# KiCad board LTC6811_ESP32_V2.kicad_pcb (continued)
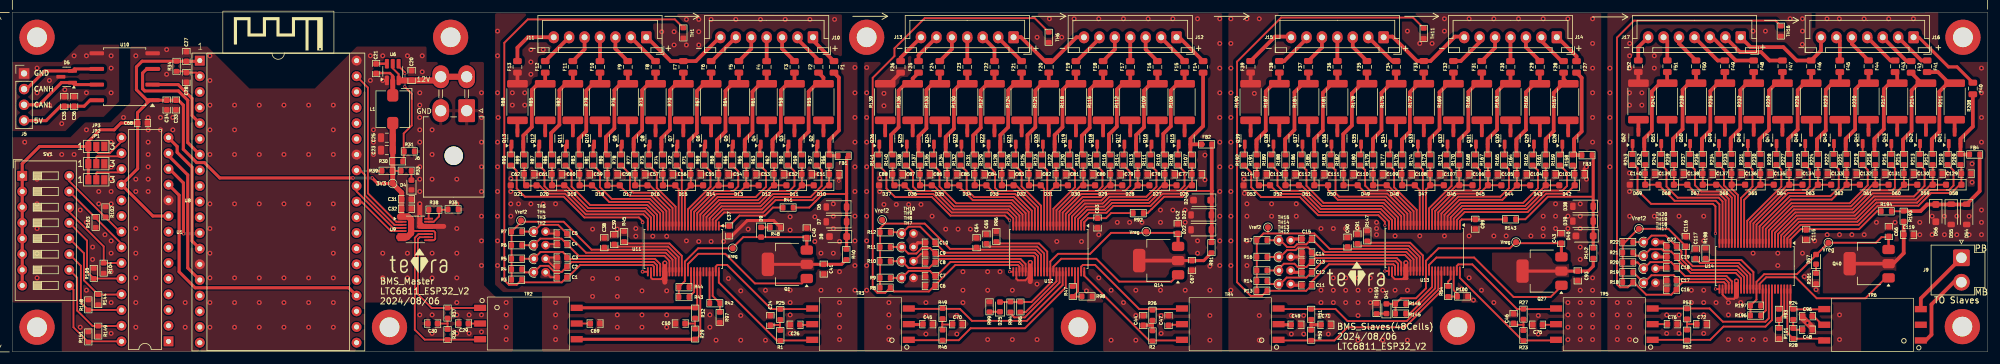
[diagram p0: board, top side]
## Routing (per net, layer and track width the routed paths; a pad name or vN(x,y) marks a point on that pad's centre or on a via; arc(x,y) is an arc through that point)
+3V3: length 172.7
  Top w0.3: 64.82,19.56 U9.12 68.26,19.56 68.51,19.31 68.51,18.27 68.3,18.06 U9.9 ; R33.2 R39.1
  Top w0.5: U1.18 22.76,21.99 U1.9 ; 20.3,37.13 20.3,29.66 17.71,27.07 ; JP3.1 4.4,33.26 1.6,30.46 SW1.8 ; JP3.1 JP1.1 ; JP3.1 12.3,34.06 14.2,35.96 16.5,35.96 17.6,37.06 C68.2 ; v1(55.2,28.16) 33.6,28.16 31.11,30.65 29.86,30.65 27.7,32.81 27.7,39.96 26.9,40.76 22.73,40.76 U10.1 ; 23.51,40.75 U10.1 ; U10.1 21.81,40.75 20.1,42.46 20.1,46.16 21.02,47.08 R34.1 26.62,47.06 C27.2 30.25,47.06 U8.1 ; U10.1 22.29,40.75 20.27,38.73 20.27,37.16 ; v1(58.3,28.16) 59.2,27.26 TP2.1 R30.2
  Top w0.8: 63.08,22.18 63.08,25.78 TP2.1 61.62,27.28 61.62,32.58
  Top w1: 61.62,36.8 61.62,32.6 ; 62.8,21.91 64.11,21.91 64.6,21.41 64.6,19.2 63.96,18.56 62.65,18.56
  Bottom w0.5: v1(55.2,28.16) 55.21,28.15 58.29,28.15 v1(58.3,28.16)
/CAN/5V_CAN: length 13.1
  Top w0.5: 1.93,37.45 5.47,37.45 7.8,39.78 C36.2 11.62,39.78 12.59,40.75 U10.8
/PowerSupply/+12V: length 14.1
  Top w0.3: U6.5 61.62,45.93 62.58,44.98 U6.3
  Top w1: J6.3 J6.4 68.8,43.96 62.8,43.96
GND: length 8.8
  Top w0.3: U9.13 U9.14
  Top w0.8: 67,20.31 69.88,20.31 ; 67,20.31 66.5,20.31 66,20.81 v2(66,23.96) ; 67,20.31 65.95,20.31
  vias: v2(2,33.96) v2(4,27.96) v2(4,23.96) v2(4,19.96) v2(4,15.96) v2(4,11.96) v2(6,31.96) v2(8,31.96) v2(10,31.96) v2(11,22.96) v2(11,3.96) v2(12,35.96) v2(12,20.96) v2(12,9.96) v2(13,16.96) v2(13,14.96) v2(14,25.96) v2(14,23.96) v2(15,18.96) v2(16,33.96) v2(16,29.96) v2(16,27.96) v2(16,25.96) v2(16,23.96) v2(16,17.96) v2(16,15.96) v2(16,12.96) v2(16,7.96) v2(16,2.96) v2(18,37.96) v2(20,47.96) v2(20,27.96) v2(20,25.96) v2(20,19.96) v2(20,15.96) v2(20,11.96) v2(20,7.96) v2(20,3.96) v2(22,37.96) v2(22,35.96) v2(22,33.96) v2(22,31.96) v2(22,29.96) v2(22,27.96) v2(22,25.96) v2(24,37.96) v2(24,35.96) v2(25,48.96) v2(25,44.96) v2(26,37.96) v2(26,35.96) v2(28,7.96) v2(28,3.96) v2(32,47.96) v2(32,43.96) v2(32,39.96) v2(32,35.96) v2(32,31.96) v2(32,23.96) v2(32,19.96) v2(32,15.96) v2(32,11.96) v2(32,7.96) v2(32,3.96) v2(36,39.96) v2(36,35.96) v2(36,31.96) v2(36,23.96) v2(36,11.96) v2(36,7.96) v2(36,3.96) v2(40,39.96) v2(40,31.96) v2(40,23.96) v2(40,11.96) v2(40,7.96) v2(40,3.96) v2(44,39.96) v2(44,31.96) v2(44,23.96) v2(44,11.96) v2(44,7.96) v2(44,3.96) v2(48,39.96) v2(48,31.96) v2(48,23.96) v2(48,11.96) v2(48,7.96) v2(48,3.96) v2(52,39.96) v2(52,35.96) v2(52,31.96) v2(52,23.96) v2(52,19.96) v2(52,15.96) v2(52,11.96) v2(52,7.96) v2(52,3.96) v2(58,47.96) v2(58,43.96) v2(58.5,35.96) v2(58.5,33.96) v2(58.5,31.96) v2(60,47.96) v2(60,43.96) v2(60,15.96) v2(60,11.96) v2(64,47.96) v2(64,15.96) v2(64,11.96) v2(66,41.96) v2(66,39.96) v2(66,37.96) v2(66,35.96) v2(66,33.96) v2(66,29.96) v2(66,27.96) v2(66,25.96) v2(66,21.96) v2(66,5.96) v2(66.4,47.96) v2(66.4,45.36) v2(68,35.96) v2(68,31.96) v2(68,27.96) v2(68,15.96) v2(68,11.96) v2(68,5.96) v2(68,2.96) v2(72,27.96) v2(72,23.96) v2(72,19.96) v2(72,15.96) v2(72,11.96) v2(72,7.96) v2(72,5.96) v2(72,2.96) v2(74,5.96) v2(74,2.96) v2(76,41.96) v2(76,37.96) v2(76,33.96) v2(76,29.96) v2(76,25.96) v2(76,21.96) v2(76,17.96) v2(76,13.96) v2(76,5.96) v2(76,3.21) v2(80,7.96) v2(80,5.96) v2(80,3.96) v2(80,1.96)
GND_PACK: length 129
  Top w0.3: U11.26 103.45,12.01 103.7,11.76 105.1,11.76 105.45,12.1 U11.30 105.45,11.51 105.7,11.26 105.95,11.51 U11.31 ; C1.2 87.19,12.06 TH2.2 ; 225.7,11.76 225.9,11.76 226,11.86 U13.31 U13.30 225.5,12.06 225.2,11.76 224.9,11.76 ; 225.7,11.76 224.9,11.76 ; 225.7,11.76 225.8,11.86 ; C5.2 86.71,19.15 TH5.2 ; TH4.2 86.58,17.45 C4.2 ; 278.9,8.56 279.55,9.21 U14.31 ; 278.9,8.56 277.75,8.56 277.05,9.26 U14.26 ; 278.9,8.56 279.05,8.71 ; C3.2 86.59,15.26 TH3.2 87.69,13.76 C2.2 ; 224.9,11.76 223.96,11.76 223.5,12.22 U13.26 ; TH8.2 147.19,15.86 147.93,15.86 ; U12.26 162.65,11.81 162.9,11.56 164.1,11.56 164.65,12.1 U12.30 U12.31 165.15,11.61
  Top w0.4: 225.8,13.06 225.8,11.86
  Top w0.5: C135.2 v1(290.27,28.86) ; C78.2 v1(189.1,28.76) ; C54.2 v1(121.4,28.76) ; C104.2 v1(250.8,28.76) ; C85.2 v1(158.3,28.76) ; TH9.2 146.69,17.66 C10.2 ; C19.2 266.39,15.36 TH19.2 ; C86.2 v1(153.8,28.76) ; C110.2 v1(222.8,28.76) ; C79.2 v1(184.7,28.76) ; C60.2 v1(94.4,28.76) ; 116.6,18.81 119.05,21.26 123.32,21.26 R48.2 ; C12.2 207.4,12.86 TH13.2 ; C53.2 v1(125.9,28.76) ; v2(255,29.96) 254.65,29.61 C103.2 ; C139.2 v1(271.57,28.86) ; TH20.2 267.35,17.76 C22.2 ; C131.2 v1(308.88,28.86) ; C11.2 207.29,10.76 TH12.2 ; C112.2 v1(213.5,28.76) ; TH15.2 207.29,18.26 C15.2 ; C137.2 v1(280.98,28.86) ; v1(90,28.76) C61.2 ; C87.2 v1(149.4,28.76) ; C136.2 v1(285.68,28.86) ; C14.2 208.93,15.36 ; 208.93,15.36 TH14.2 ; 208.93,15.36 C13.2 ; C58.2 v1(103.4,28.76) ; C84.2 v1(162.7,28.76) ; C105.2 v1(246.1,28.76) ; C18.2 266.5,13.66 ; C56.2 v1(112.3,28.76) ; C52.2 v1(130.4,28.76) ; C130.2 v1(313.57,28.86) ; C132.2 v1(304.27,28.86) ; C82.2 v1(171.5,28.76) ; C111.2 v1(218.1,28.76) ; C59.2 v1(98.9,28.76) ; C134.2 v1(294.98,28.86) ; C133.2 v1(299.57,28.86) ; C80.2 v1(180.4,28.76) ; C55.2 v1(116.9,28.76) ; C62.2 v1(85.5,28.76) ; C106.2 v1(241.5,28.76) ; C88.2 v1(145,28.76) ; 226.7,28.76 v1(227.5,28.76) ; C108.2 v1(232.1,28.76) ; C81.2 v1(175.9,28.76) ; C114.2 v1(204,28.76) ; C83.2 v1(167.05,28.76) ; C140.2 v1(266.98,28.86) ; C107.2 v1(236.9,28.76) ; C138.2 v1(276.27,28.86) ; C57.2 v1(107.8,28.76) ; C113.2 v1(208.7,28.76) ; C51.2 v1(133.9,27.66)
  Top w0.6: 290.8,4.68 v2(290.8,4.66) 290.82,4.66 ; 81.83,43.46 F13.2 ; F26.2 142.1,43.42 R139.1 ; F52.2 263.4,43.55 R241.1 ; R190.1 F39.2 ; 291.57,3.86 291.57,3.91
  Top w0.8: v2(279.3,11.43) 279.3,8.96 ; 105.7,11.26 v2(105.7,14.36) ; v2(164.9,14.46) 164.9,11.36 ; v2(225.75,14.41) 225.75,13.06
  Top w1: 290.8,4.68 290.02,5.46 ; 291.57,3.91 290.82,4.66
  vias: v2(78.6,51.96) v2(78.6,47.96) v2(78.6,41.96) v2(78.6,33.96) v2(78.6,29.96) v2(78.6,25.96) v2(78.6,21.96) v2(78.6,17.96) v2(78.6,13.96) v2(78.7,37.96) v2(80.75,28.06) v2(80.75,25.96) v2(80.75,23.96) v2(80.75,21.96) v2(81,41.96) v2(81,39.96) v2(82,23.96) v2(83,41.96) v2(83,39.96) v2(84,48.96) v2(84,46.96) v2(84,44.96) v2(84,23.96) v2(86,48.96) v2(86,23.96) v2(88,23.96) v2(88,7.96) v2(88,5.96) v2(88,3.96) v2(88,1.96) v2(94,19.86) v2(94,11.86) v2(94,8.96) v2(98,19.86) v2(98,11.86) v2(98,8.96) v2(98,5.96) v2(98,3.96) v2(101,19.96) v2(101,18.71) v2(102,9.86) v2(102,5.96) v2(102,3.96) v2(103.75,18.71) v2(105.2,51.86) v2(106,18.71) v2(106,9.86) v2(106,5.96) v2(106,3.96) v2(107.2,51.86) v2(107.2,49.71) v2(109.2,53.86) v2(109.2,49.71) v2(109.2,17.96) v2(111.2,53.86) v2(111.2,51.86) v2(111.2,49.71) v2(111.2,17.86) v2(113,5.96) v2(113,3.96) v2(113.2,53.86) v2(113.2,17.86) v2(114,1.86) v2(115.2,17.86) v2(116,11.86) v2(117.2,53.86) v2(118,9.86) v2(118,5.86) v2(118,1.86) v2(119.2,19.86) v2(121.2,53.86) v2(122,9.96) v2(122,1.86) v2(125.2,53.86) v2(126,21.86) v2(126,19.71) v2(126,9.96) v2(126,7.96) v2(126,5.96) v2(126,2.96) v2(129.2,53.86) v2(130,21.86) v2(130,17.86) v2(131,15.96) v2(131,9.96) v2(133,23.96) v2(133,21.96) v2(133,19.96) v2(133,15.96) v2(133.2,53.86) v2(134,17.86) v2(134,12.96) v2(134,9.96) v2(134,7.96) v2(134,5.96) v2(134,3.96) v2(134,1.96) v2(136.5,46.06) v2(136.5,41.96) v2(136.5,37.96) v2(136.5,33.96) v2(136.5,29.96) v2(136.5,25.96) v2(136.5,21.96) v2(136.5,17.96) v2(136.5,13.96) v2(136.5,9.96) v2(138.4,46.06) v2(138.4,41.96) v2(138.4,37.96) v2(138.4,33.96) v2(138.4,29.96) v2(138.4,25.96) v2(138.4,21.96) v2(138.4,17.96) v2(138.4,13.96) v2(138.4,9.96) v2(140.5,28.06) v2(140.5,25.96) v2(141.2,41.86) v2(141.2,39.86) v2(141.2,23.86) v2(142,7.96) v2(142,5.96) v2(142,3.96) v2(142,1.96) v2(143.2,23.86) v2(145.2,23.86) v2(147.2,23.86) v2(148,7.96) v2(148,5.86) v2(148,2.86) v2(149,21.96) v2(151.2,19.86) v2(153,5.86) v2(153,2.86) v2(153.2,19.86) v2(154,12.96) v2(154,9.96) v2(154,7.96) v2(155.2,19.86) v2(158,12.96) v2(158,9.96) v2(158,1.96) v2(160,12.96) v2(162,9.96) v2(162,1.96) v2(166,50.96) v2(166,10.96) v2(166,1.96) v2(168,53.96) v2(169.2,17.86) v2(170,50.96) v2(172,53.96) v2(173.2,17.86) v2(174,9.86) v2(176,53.96) v2(176,18.96) v2(176,11.96) v2(178,9.96) v2(178,1.86) v2(179,20.96) v2(180,53.96) v2(180,7.96) v2(181,20.96) v2(182,9.96) v2(182,5.86) v2(182,1.86) v2(183,20.96) v2(184,53.96) v2(186,22.96) v2(186,20.96) v2(186,9.96) v2(186.1,5.86) v2(186.1,2.96) v2(188,53.96) v2(188,22.96) v2(190,22.96) v2(190,20.96) v2(190,9.96) v2(192,53.96) v2(192,17.96) v2(192,15.96) v2(193.2,31.86) v2(193.2,27.86) v2(194,13.86) v2(194,9.96) v2(194,5.86) v2(194,1.86) v2(195.6,53.96) v2(195.6,49.96) v2(195.6,45.96) v2(195.6,41.96) v2(195.6,37.96) v2(195.6,33.96) v2(195.6,29.96) v2(195.6,25.96) v2(195.6,21.96) v2(195.6,17.96) v2(195.6,13.96) v2(197.4,53.96) v2(197.4,49.96) v2(197.4,45.96) v2(197.4,41.96) v2(197.4,37.96) v2(197.4,33.96) v2(197.4,29.96) v2(197.4,25.96) v2(197.4,21.96) v2(197.4,17.96) v2(197.4,13.96) v2(197.4,9.96) v2(199.5,27.96) v2(199.6,25.66) v2(200,53.96) v2(200,23.96) v2(200,21.96) v2(200,17.96) v2(200,13.96) v2(201.2,41.86) v2(202,53.96) v2(202,5.86) v2(202,1.86) v2(204,23.96) v2(204,21.96) v2(207.2,5.86) v2(207.2,2.86) v2(208,23.96) v2(208,21.96) v2(209.2,5.86) v2(209.2,2.86) v2(212,19.96) v2(212,9.96) v2(212,7.96) v2(213.2,5.86) v2(213.2,2.86) v2(214,19.96) v2(214,11.96) v2(214,9.96) v2(214,7.96) v2(216,19.96) v2(216,11.96) v2(216,9.96) v2(216,7.96) v2(218,19.96) v2(218,11.96) v2(218,9.96) v2(218,7.96) v2(218,5.86) v2(218,1.86) v2(220,11.96) v2(220,9.96) v2(220,7.96) v2(221,20.96) v2(221,19.96) v2(221,18.96) v2(222,11.96) v2(222,9.96) v2(222,1.86) v2(224,18.76) v2(224,9.96) v2(226,51.96) v2(226,9.96) v2(226,1.86) v2(228,49.96) v2(228,18.76) v2(230,49.96) v2(232,53.96) v2(232,51.96) v2(232,18.76) v2(234.8,10.16) v2(236,53.96) v2(236,18.76) v2(236,11.96) v2(236.7,8.36) v2(238,9.96) v2(240,53.96) v2(240,18.76) v2(240,7.96) v2(242,18.76) v2(244,53.96) v2(246,18.76) v2(247.2,5.86) v2(247.2,2.86) v2(248,53.96) v2(248,21.96) v2(248,19.96) v2(248,18.76) v2(250,23.96) v2(250,21.96) v2(250,19.96) v2(252,53.96) v2(252,21.96) v2(252,19.96) v2(252,7.96) v2(252,5.96) v2(252,3.96) v2(252,1.96) v2(254,23.96) v2(254,21.96) v2(254,19.96) v2(254,16.96) v2(254,14.96) v2(254,9.96) v2(254,7.96) v2(254,5.96) v2(254,3.96) v2(254,1.96) v2(255,27.96) v2(256,53.96) v2(256,49.96) v2(256,45.96) v2(256,41.96) v2(256,37.96) v2(256,33.96) v2(256,11.96) v2(256,9.96) v2(256,7.96) v2(256,5.96) v2(256,3.96) v2(256,1.96) v2(258.8,45.96) v2(258.8,41.96) v2(258.8,37.96) v2(258.8,33.96) v2(258.8,29.96) v2(260,7.96) v2(260,5.96) v2(260,3.96) v2(260,1.96) v2(262,49.96) v2(262,47.96) v2(262,45.96) v2(261.98,41.96) v2(261.98,39.96) v2(261.98,28.96) v2(261.98,25.96) v2(262,21.96) v2(262,7.96) v2(262,5.96) v2(262,3.96) v2(262,1.96) v2(263.98,41.96) v2(263.98,39.96) v2(266,47.96) v2(266,45.96) v2(266,21.96) v2(268,5.96) v2(268,2.96) v2(270,21.96) v2(270,5.96) v2(270,2.96) v2(272,9.96) v2(272,7.96) v2(274,21.96) v2(274,17.96) v2(274,9.96) v2(274,7.96) v2(274,5.96) v2(274,2.96) v2(276,7.96) v2(278,7.96) v2(278,5.96) v2(278,1.96) v2(280,7.96) v2(280,5.96) v2(280,1.96) v2(282,51.96) v2(282,15.96) v2(282,1.96) v2(284,51.96) v2(284,1.96) v2(286,15.96) v2(286,13.96) v2(288,53.96) v2(290,53.96) v2(290,51.96) v2(289.98,49.81) v2(290,15.96) v2(290.3,12.16) v2(291.98,17.96) v2(292.2,10.06) v2(293.98,53.96) v2(294,18.96) v2(295.98,53.96) v2(296,18.96) v2(296,5.96) v2(296,1.96) v2(298,18.96) v2(299.98,53.96) v2(300,18.96) v2(301.98,20.96) v2(303.98,53.96) v2(305,20.96) v2(307.98,53.96) v2(309,20.96) v2(309,18.96) v2(311,21.96) v2(311,18.96) v2(313,21.96) v2(313,18.96) v2(315,21.96) v2(315,18.96) v2(317,21.96) v2(317,18.96) v2(317.48,30.46) v2(317.48,27.46) v2(319,45.96) v2(319,41.96) v2(319,37.96) v2(319,33.96) v2(319,22.96) v2(319,20.96) v2(319,18.96)
/CAN/CAN_GND: length 0
  Top w0.5: 1.93,45.07 J5.1
  vias: v2(4,45.96) v2(4,41.96) v2(6,43.96) v2(6,39.96) v2(8,36.96) v2(8.5,42.46) v2(10,47.96) v2(12,47.96) v2(12,41.96) v2(16,47.96) v2(16,45.96) v2(16,41.96)
/CAN/CANH: length 13.1
  Top w0.5: U10.6 10.06,45.83 D5.2 5.25,45.51 2.3,42.56 J5.2
/CAN/CANL: length 13.4
  Top w0.5: J5.3 4.36,40.02 7.95,43.61 D5.1 10.06,43.29 U10.7
/CAN/RXD: length 11.9
  Top w0.5: U8.5 29.11,38.27 29.11,41.04 26.87,43.29 U10.2
/CAN/TXD: length 23.2
  Top w0.5: 23.73,45.83 U10.3 21.77,45.83 21.1,45.16 21.1,42.6 21.44,42.26 26.91,42.26 28.42,40.75 28.42,33.89 U8.7
/MCU/HSPI_CS: length 45.2
  Top w0.5: U1.11 27.02,25.35 27.02,12.94 29.6,10.36 54.48,10.36 U8.23
/MCU/HSPI_MISO: length 20.1
  Top w0.5: U8.13 29.11,17.95 29.11,29.89 26.7,32.3 26.7,33.26 25.3,34.66 U1.14
/MCU/HSPI_MOSI: length 22.6
  Top w0.5: U1.13 25.3,31.76 28.42,28.64 28.42,13.57 U8.15
/MCU/HSPI_SCK: length 14.2
  Top w0.5: U1.12 25.45,29.61 27.72,27.34 v1(27.72,19.11)
  Bottom w0.5: v1(27.72,19.11) 30.36,19.11 30.36,19.12
/MCU/IM: length 21.8
  Top w0.3: TR2.1 75.77,7.08 67.92,7.08 65.7,9.31 65.7,18.25 66.01,18.56 U9.10
/MCU/IP: length 28.6
  Top w0.3: U9.11 65.8,19.06 65.2,18.46 65.2,3.56 66.8,1.96 75.72,1.96 TR2.3
/MCU/NRST: length 4.1
  Top w0.3: R34.2 28,45.43 C28.2 29.77,45.23 U8.2
/MCU/VSPI_CS: length 9.3
  Top w0.3: U9.5 61.3,19.56 56.66,24.2 55.77,24.2
/MCU/VSPI_MISO: length 17.1
  Top w0.3: U9.3 61.89,20.56 57.1,25.35 57.1,28.66 56.36,29.4 U8.31 ; 59.88,29.26 v1(59.1,29.26)
  Bottom w0.3: U8.31 55.89,29.28 59.08,29.28 v1(59.1,29.26)
/MCU/VSPI_MOSI: length 27.2
  Top w0.3: U9.2 62.2,21.06 57.6,25.66 57.6,42.8 U8.37
/MCU/VSPI_SCK: length 10.6
  Top w0.3: U9.4 61.69,20.06 55.77,25.98 55.77,26.74
/Slaves/LTC6811_1/BAT+: length 25.1
  Top w0.3: R41.1 129.11,23.36 131.31,25.56 135.05,25.56
  Top w0.5: FB1.1 135.15,31.48 D6.1 135.15,16.63 R40.1 135.18,16.66 ; 135.53,31.76 135.4,31.63
/Slaves/LTC6811_1/C1: length 5.5
  Top w0.6: J11.1 90.19,50.96 F12.1
/Slaves/LTC6811_1/C1_G: length 8.8
  Top w0.6: F13.1 81.83,49.28 83.5,50.96 J11.0
/Slaves/LTC6811_1/C2: length 4.6
  Top w0.6: J11.2 92.7,49 F11.1
/Slaves/LTC6811_1/C3: length 3.9
  Top w0.6: F10.1 J11.3
/Slaves/LTC6811_1/C4: length 4.7
  Top w0.6: F9.1 97.7,49.1 J11.4
/Slaves/LTC6811_1/C5: length 5.6
  Top w0.6: J11.5 104.06,47.1 F8.1
/Slaves/LTC6811_1/C6: length 15.2
  Top w0.6: J10.0 114.6,50.96 110.74,47.1 F7.1 106.66,47.1 102.8,50.96 J11.6
/Slaves/LTC6811_1/C7: length 5.6
  Top w0.6: J10.1 113.34,47.1 F6.1
/Slaves/LTC6811_1/C8: length 4.7
  Top w0.6: F5.1 119.7,49.1 J10.2
/Slaves/LTC6811_1/C9: length 3.9
  Top w0.6: J10.3 F4.1
/Slaves/LTC6811_1/C10: length 4.7
  Top w0.6: F3.1 124.7,49.1 J10.4
/Slaves/LTC6811_1/C11: length 5.3
  Top w0.6: J10.5 127.2,50.66 130.6,47.26 F2.1
/Slaves/LTC6811_1/C12: length 5.3
  Top w0.6: J10.6 129.7,50.46 133.06,47.1 F1.1
/Slaves/LTC6811_1/cell1/C: length 26.8
  Top w0.3: U11.24 102.95,21.56 102.25,22.26 92.89,22.26 89.54,25.61 86.71,25.61 85.42,26.9 82.92,26.9 R89.1
/Slaves/LTC6811_1/cell1/C+: length 15.5
  Top w0.6: F12.2 86.33,43.46 85.2,43.46 84.15,42.41 84.15,36.41 82.78,35.03 Q13.2 82.78,32.03 R89.2
/Slaves/LTC6811_1/cell1/S: length 35.8
  Top w0.3: v3(102.1,20.96) 102.1,21.16 101.5,21.76 92.68,21.76 89.33,25.11 83.05,25.11 81.7,26.46 81.7,29.31 R90.1 ; U11.25 102.11,12.95 v3(102.1,12.96)
  Bottom w0.3: v3(102.1,12.96) v3(102.1,20.96)
/Slaves/LTC6811_1/cell2/C: length 23.5
  Top w0.3: U11.22 103.95,21.97 102.66,23.26 93.3,23.26 89.66,26.9 87.42,26.9 R86.1
/Slaves/LTC6811_1/cell2/C+: length 15.5
  Top w0.6: F11.2 90.8,43.46 89.7,43.46 88.62,42.38 88.62,36.78 87.28,35.43 Q12.2 87.28,32.03 R86.2
/Slaves/LTC6811_1/cell2/S: length 24.5
  Top w0.3: U11.23 103.45,21.77 102.46,22.76 93.09,22.76 89.74,26.11 86.92,26.11 86.2,26.83 86.2,29.33 R87.1
/Slaves/LTC6811_1/cell3/C: length 20.3
  Top w0.3: R83.1 91.9,26.9 94.06,26.9 96.7,24.26 103.08,24.26 104.95,22.39 U11.20
/Slaves/LTC6811_1/cell3/C+: length 15.5
  Top w0.6: R83.2 91.75,32.03 Q11.2 91.75,34.51 92.97,35.73 92.97,42.33 94.1,43.46 95.2,43.46 F10.2
/Slaves/LTC6811_1/cell3/S: length 21.5
  Top w0.3: U11.21 104.45,22.18 102.87,23.76 93.6,23.76 90.6,26.76 90.6,29.26 89.62,30.23 R84.1
/Slaves/LTC6811_1/cell4/C: length 17
  Top w0.3: R80.1 96.4,26.9 98.4,26.9 100.04,25.26 103.49,25.26 105.95,22.8 U11.18
/Slaves/LTC6811_1/cell4/C+: length 15.6
  Top w0.6: F9.2 99.7,43.46 98.6,43.46 97.53,42.38 97.53,36.18 96.15,34.81 Q10.2 96.15,32.13 R80.2
/Slaves/LTC6811_1/cell4/S: length 18.2
  Top w0.3: U11.19 105.45,22.59 103.29,24.76 97.1,24.76 95.2,26.66 95.2,29.13 R81.1
/Slaves/LTC6811_1/cell5/C: length 13.8
  Top w0.3: U11.16 106.95,23.28 103.34,26.9 100.9,26.9 R77.1
/Slaves/LTC6811_1/cell5/C+: length 15.6
  Top w0.6: R77.2 100.65,32.13 Q9.2 100.65,34.51 102.03,35.88 102.03,42.38 103.1,43.46 104.2,43.46 F8.2
/Slaves/LTC6811_1/cell5/S: length 14.9
  Top w0.3: R78.1 100.05,28.78 100.05,26.31 100.6,25.76 103.7,25.76 106.45,23.01 U11.17
/Slaves/LTC6811_1/cell6/C: length 12.1
  Top w0.3: U11.14 107.95,26.35 107.4,26.9 105.4,26.9 C57.1 R74.1
/Slaves/LTC6811_1/cell6/C+: length 15.6
  Top w0.6: F7.2 108.7,43.46 107.6,43.46 106.53,42.38 106.53,35.98 105.15,34.61 Q8.2 105.15,32.13 R74.2
/Slaves/LTC6811_1/cell6/S: length 11.7
  Top w0.3: R75.1 104.4,28.93 104.4,26.54 107.45,23.49 U11.15
/Slaves/LTC6811_1/cell7/C: length 12.3
  Top w0.3: 109.9,26.9 111.9,26.9 ; 109.9,26.9 R71.1 ; 109.9,26.9 108.95,25.95 U11.12
/Slaves/LTC6811_1/cell7/C+: length 15.6
  Top w0.6: R71.2 109.65,32.13 Q7.2 109.65,34.21 110.9,35.46 110.9,42.26 112.1,43.46 113.2,43.46 F6.2
/Slaves/LTC6811_1/cell7/S: length 10.2
  Top w0.3: R72.1 108.45,29.38 U11.13
/Slaves/LTC6811_1/cell8/C: length 14
  Top w0.3: 114.4,26.9 R68.1 ; 114.4,26.9 116.4,26.9 ; 114.4,26.9 113.98,26.9 109.95,22.87 U11.10
/Slaves/LTC6811_1/cell8/C+: length 15.5
  Top w0.6: F5.2 117.7,43.46 116.7,43.46 115.53,42.28 115.53,35.68 114.15,34.31 Q6.2 114.15,32.13 R68.2
/Slaves/LTC6811_1/cell8/S: length 11.8
  Top w0.3: R69.1 113.1,29.23 113.1,26.73 109.45,23.08 U11.11
/Slaves/LTC6811_1/cell9/S: length 15
  Top w0.3: R66.1 117.6,29.23 117.6,26.8 116.86,26.06 113.85,26.06 110.45,22.66 U11.9
/Slaves/LTC6811_1/cell10/C: length 20.4
  Top w0.3: R62.1 D12.1 D11.2 ; 123.4,26.9 123.14,26.9 120.8,24.56 114.47,24.56 111.95,22.04 U11.6
/Slaves/LTC6811_1/cell10/C+: length 15.6
  Top w0.6: R62.2 123.15,32.13 Q4.2 123.15,34.31 124.5,35.66 124.5,42.36 125.6,43.46 126.7,43.46 F3.2
/Slaves/LTC6811_1/cell10/C-: length 15.5
  Top w0.6: F4.2 122.2,43.46 121.2,43.46 119.9,42.16 119.9,35.56 118.65,34.31 Q5.2 118.65,32.13 R65.2
/Slaves/LTC6811_1/cell10/CM: length 17.2
  Top w0.3: 120.9,26.9 118.9,26.9 ; R65.1 D13.1 117.5,25.56 114.05,25.56 110.95,22.45 U11.8
/Slaves/LTC6811_1/cell10/S: length 18.3
  Top w0.3: U11.7 111.45,22.25 114.26,25.06 120.42,25.06 122.1,26.74 122.1,29.23 R63.1
/Slaves/LTC6811_1/cell11/C: length 23.6
  Top w0.3: 127.9,26.9 126.56,25.56 123.21,25.56 121.21,23.56 114.88,23.56 112.95,21.63 U11.4 ; D10.2 D11.1 R59.1
/Slaves/LTC6811_1/cell11/C+: length 16
  Top w0.6: F2.2 131.4,44.42 R55.1 130.26,43.42 129,42.16 129,35.66 127.65,34.31 Q3.2 127.65,32.13 R59.2
/Slaves/LTC6811_1/cell11/S: length 21.7
  Top w0.3: R60.1 125.72,30.23 126.7,29.26 126.7,26.86 125.9,26.06 123.01,26.06 121.01,24.06 114.68,24.06 112.45,21.83 U11.5
/Slaves/LTC6811_1/cell12/C: length 24.8
  Top w0.3: 132.32,26.9 131.94,26.9 129.6,24.56 123.63,24.56 121.63,22.56 115.3,22.56 113.95,21.21 U11.2 ; D10.1 132.32,30.21
/Slaves/LTC6811_1/cell12/C+: length 15.9
  Top w0.5: 133.88,31.76 132.47,31.76 R56.2
  Top w0.6: R56.2 Q2.2 132.35,34.31 133.9,35.86 133.9,44.42 F1.2
/Slaves/LTC6811_1/cell12/S: length 24.7
  Top w0.3: R57.1 131.1,29.43 131.1,26.86 129.3,25.06 123.42,25.06 121.42,23.06 115.09,23.06 113.45,21.42 U11.3
/Slaves/LTC6811_1/DRIVE: length 23.5
  Top w0.3: U11.38 109.45,14.21 111.1,15.86 115.5,15.86 120.3,11.06 127.9,11.06 Q1.1
/Slaves/LTC6811_1/IMA: length 25.2
  Top w0.3: R32.1 110.95,7.43 U11.41
  Top w0.5: R32.1 110.57,7.11 91.43,7.11 TR2.6
/Slaves/LTC6811_1/IMB: length 19.4
  Top w0.3: 129.48,6.9 122.96,6.9 115.8,14.06 114.22,14.06 113.95,13.79 U11.47
/Slaves/LTC6811_1/IPA: length 30.6
  Top w0.3: U11.42 111.45,2.68 110.6,1.83
  Top w0.5: TR2.4 91.43,2.01 110.57,2.01
/Slaves/LTC6811_1/IPB: length 20.7
  Top w0.3: 129.48,1.82 123.84,1.82 114.45,11.21 U11.48
/Slaves/LTC6811_1/T1: length 96.8
  Top w0.3: TH1.1 107.32,53.86 83.5,53.86 79.7,50.06 79.7,11.57 80.44,10.83 81.7,10.83 R3.2 82.95,11.23 89,11.23 C1.1 90,12.06 91.97,14.03 103.7,14.03 103.95,13.79 U11.27
/Slaves/LTC6811_1/T2: length 24.9
  Top w0.3: R4.1 83.03,12.86 TH2.1 85.55,13.91 86.84,13.91 87.81,12.93 89,12.93 C2.1 90.6,14.53 103.91,14.53 104.45,13.99 U11.28
/Slaves/LTC6811_1/T3: length 25.1
  Top w0.3: U11.29 104.95,14.2 104.12,15.03 90.05,15.03 C3.1 89.83,15.49 89.16,16.16 85.57,16.16 84.45,15.05 ; 84.45,15.06 R5.1
/Slaves/LTC6811_1/T4: length 27.6
  Top w0.3: R6.1 84.45,17.26 85.52,18.32 88.95,18.32 C4.1 91.74,15.53 105.62,15.53 106.45,14.71 U11.32
/Slaves/LTC6811_1/T5: length 29.2
  Top w0.3: 84.45,19.45 85.57,20.56 88.42,20.56 C5.1 92.94,16.03 105.83,16.03 106.95,14.92 U11.33 ; 84.45,19.46 R7.1
/Slaves/LTC6811_1/Vref2: length 39.7
  Top w0.3: U11.34 107.45,15.12 106.04,16.53 93.82,16.53 89.3,21.06 82.47,21.06 R7.2 R3.1
/Slaves/LTC6811_1/Vreg: length 29.6
  Top w0.3: C40.1 128.62,18.56 118.4,18.56 116.6,16.76 111.1,16.76 108.95,14.61 U11.37 108.95,11.43 R44.2 R43.2
  Top w0.5: Q1.3 C40.1
/Slaves/LTC6811_2/BAT+: length 28.7
  Top w0.3: 194.55,26.06 190.51,26.06 189.56,25.11 186.57,25.11 184.57,23.11 184.55,23.11 183.9,22.46 R92.1
  Top w0.6: FB2.1 194.3,17.73
/Slaves/LTC6811_2/C1: length 5.1
  Top w0.6: 149.7,50.98 149.7,50.95 146.8,48.05 F25.1
/Slaves/LTC6811_2/C1_G: length 5.3
  Top w0.6: 147.2,50.98 J13.0 143.9,47.66 F26.1
/Slaves/LTC6811_2/C2: length 4.7
  Top w0.6: F24.1 152.2,49.05 152.2,50.98
/Slaves/LTC6811_2/C3: length 3.9
  Top w0.6: F23.1 154.7,50.98
/Slaves/LTC6811_2/C4: length 4.7
  Top w0.6: F22.1 159.1,49.08 157.2,50.98
/Slaves/LTC6811_2/C5: length 5.5
  Top w0.6: F21.1 159.7,50.9 159.7,50.98
/Slaves/LTC6811_2/C6: length 14.6
  Top w0.6: J12.0 172.39,50.96 168.53,47.1 F20.1 167.29,47.1 163.4,50.98 162.2,50.98
/Slaves/LTC6811_2/C7: length 5.5
  Top w0.6: F19.1 172.44,47.1 176.1,50.76 J12.1
/Slaves/LTC6811_2/C8: length 4.6
  Top w0.6: J12.2 178.6,49 F18.1
/Slaves/LTC6811_2/C9: length 3.9
  Top w0.6: J12.3 F17.1
/Slaves/LTC6811_2/C10: length 4.6
  Top w0.6: F16.1 183.6,49 J12.4
/Slaves/LTC6811_2/C11: length 5.4
  Top w0.6: J12.5 186.1,50.9 F15.1
/Slaves/LTC6811_2/C12: length 5.9
  Top w0.6: J12.6 189.04,50.96 F14.1
/Slaves/LTC6811_2/cell1/C: length 26.3
  Top w0.3: R140.1 142.6,26.96 D36.2 145.95,25.56 149.19,25.56 152.19,22.56 161.21,22.56 162.15,21.62 U12.24
/Slaves/LTC6811_2/cell1/C+: length 16
  Top w0.6: F25.2 145.85,44.27 R136.1 144.66,43.42 143.57,42.33 143.57,36.38 142.35,35.16 Q26.2 142.35,32.13 R140.2
/Slaves/LTC6811_2/cell1/S: length 35.4
  Top w0.3: U12.25 161.56,12.95 v1(161.55,12.96) ; v1(161.55,21.31) 160.8,22.06 151.98,22.06 148.98,25.06 143,25.06 141.6,26.46 141.6,28.96 140.32,30.23 R141.1
  Bottom w0.3: v1(161.55,12.96) v1(161.55,21.31)
/Slaves/LTC6811_2/cell2/C: length 23.1
  Top w0.3: R137.1 D36.1 D35.2 149.2,26.96 152.6,23.56 161.62,23.56 163.15,22.03 U12.22
/Slaves/LTC6811_2/cell2/C+: length 15.6
  Top w0.6: R137.2 146.8,32.13 Q25.2 146.8,34.91 148.07,36.18 148.07,42.43 149.06,43.42 R133.1 F24.2
/Slaves/LTC6811_2/cell2/S: length 24.2
  Top w0.3: U12.23 162.65,21.82 161.41,23.06 152.39,23.06 149.39,26.06 146.59,26.06 145.9,26.75 145.9,29.16 144.82,30.23 R138.1
/Slaves/LTC6811_2/cell3/C: length 20
  Top w0.3: R134.1 D35.1 D34.2 153.4,26.75 155.59,24.56 162.04,24.56 164.15,22.44 U12.20
/Slaves/LTC6811_2/cell3/C+: length 15.5
  Top w0.6: F23.2 R130.1 153.61,43.42 152.53,42.33 152.53,36.13 151.2,34.81 Q24.2 151.2,32.13 R134.2
/Slaves/LTC6811_2/cell3/S: length 21.1
  Top w0.3: U12.21 163.65,22.24 161.83,24.06 152.9,24.06 150.2,26.76 150.2,29.26 149.22,30.23 R135.1
/Slaves/LTC6811_2/cell4/C: length 16.7
  Top w0.3: U12.18 165.15,22.86 162.45,25.56 159.2,25.56 D33.2 D34.1 R131.1
/Slaves/LTC6811_2/cell4/C+: length 15.5
  Top w0.6: F22.2 R127.1 157.96,43.42 156.88,42.33 156.88,36.28 155.65,35.06 Q23.2 155.65,32.13 R131.2
/Slaves/LTC6811_2/cell4/S: length 18.2
  Top w0.3: U12.19 164.65,22.65 162.24,25.06 155.8,25.06 154.6,26.26 154.6,29.23 R132.1
/Slaves/LTC6811_2/cell5/C: length 13.6
  Top w0.3: U12.16 166.15,23.41 162.6,26.96 D32.2 D33.1 R128.1
/Slaves/LTC6811_2/cell5/C+: length 15.5
  Top w0.6: F21.2 R124.1 162.36,43.42 161.32,42.38 161.32,36.38 160.05,35.11 Q22.2 160.05,32.13 R128.2
/Slaves/LTC6811_2/cell5/S: length 14.8
  Top w0.3: R129.1 159.2,29.03 159.2,26.56 159.7,26.06 162.79,26.06 165.65,23.2 U12.17
/Slaves/LTC6811_2/cell6/C: length 12
  Top w0.3: R125.1 D32.1 D31.2 167.15,26.41 U12.14
/Slaves/LTC6811_2/cell6/C+: length 15.5
  Top w0.6: R125.2 164.45,32.13 Q21.2 164.45,35.11 165.72,36.38 165.72,42.33 166.81,43.42 R121.1 F20.2
/Slaves/LTC6811_2/cell6/S: length 11.6
  Top w0.3: U12.15 166.65,23.65 163.5,26.8 163.5,29.13 R126.1
/Slaves/LTC6811_2/cell7/C: length 12.2
  Top w0.3: U12.12 168.15,26.01 D31.1 ; D31.1 D30.2 ; D31.1 R122.1
/Slaves/LTC6811_2/cell7/C+: length 15.6
  Top w0.6: F19.2 R118.1 171.11,43.42 170.12,42.43 170.12,36.38 168.85,35.11 Q20.2 168.85,32.13 R122.2
/Slaves/LTC6811_2/cell7/S: length 10.2
  Top w0.3: U12.13 167.65,29.41 166.82,30.23 R123.1
/Slaves/LTC6811_2/cell8/C: length 13.8
  Top w0.3: D30.1 R119.1 ; D30.1 D29.2 ; D30.1 173.16,26.96 169.15,22.95 U12.10
/Slaves/LTC6811_2/cell8/C+: length 15.6
  Top w0.6: R119.2 173.25,32.13 Q19.2 173.25,35.01 174.53,36.28 174.53,42.48 175.46,43.42 R115.1 F18.2
/Slaves/LTC6811_2/cell8/S: length 11.7
  Top w0.3: U12.11 168.65,23.16 172.15,26.66 172.15,29.28 R120.1
/Slaves/LTC6811_2/cell9/S: length 14.8
  Top w0.3: R117.1 176.6,29.23 176.6,26.8 175.86,26.06 172.96,26.06 169.65,22.74 U12.9
/Slaves/LTC6811_2/cell10/C: length 20.1
  Top w0.3: D28.1 R113.1 ; D28.1 180.95,25.61 177.53,25.61 176.43,24.51 173.54,24.51 171.15,22.12 U12.6 ; D28.1 D27.2
/Slaves/LTC6811_2/cell10/C+: length 15.5
  Top w0.6: F16.2 R109.1 184.41,43.42 183.32,42.33 183.32,36.38 182.05,35.11 Q17.2 182.05,32.13 R113.2
